# Altium PCB MotorBase.PcbDoc (part 2 of 2)
Units mm, origin at the board's own origin, x right, y up, seen from the top; angles counter-clockwise.
Board outline 97 x 110 mm, 4 copper layers (L1 Top, L2 Power, L3 Ground, L4 Bottom), stack 1.576 mm thick; 85 components, 55 nets, 299 pads, 431 vias.
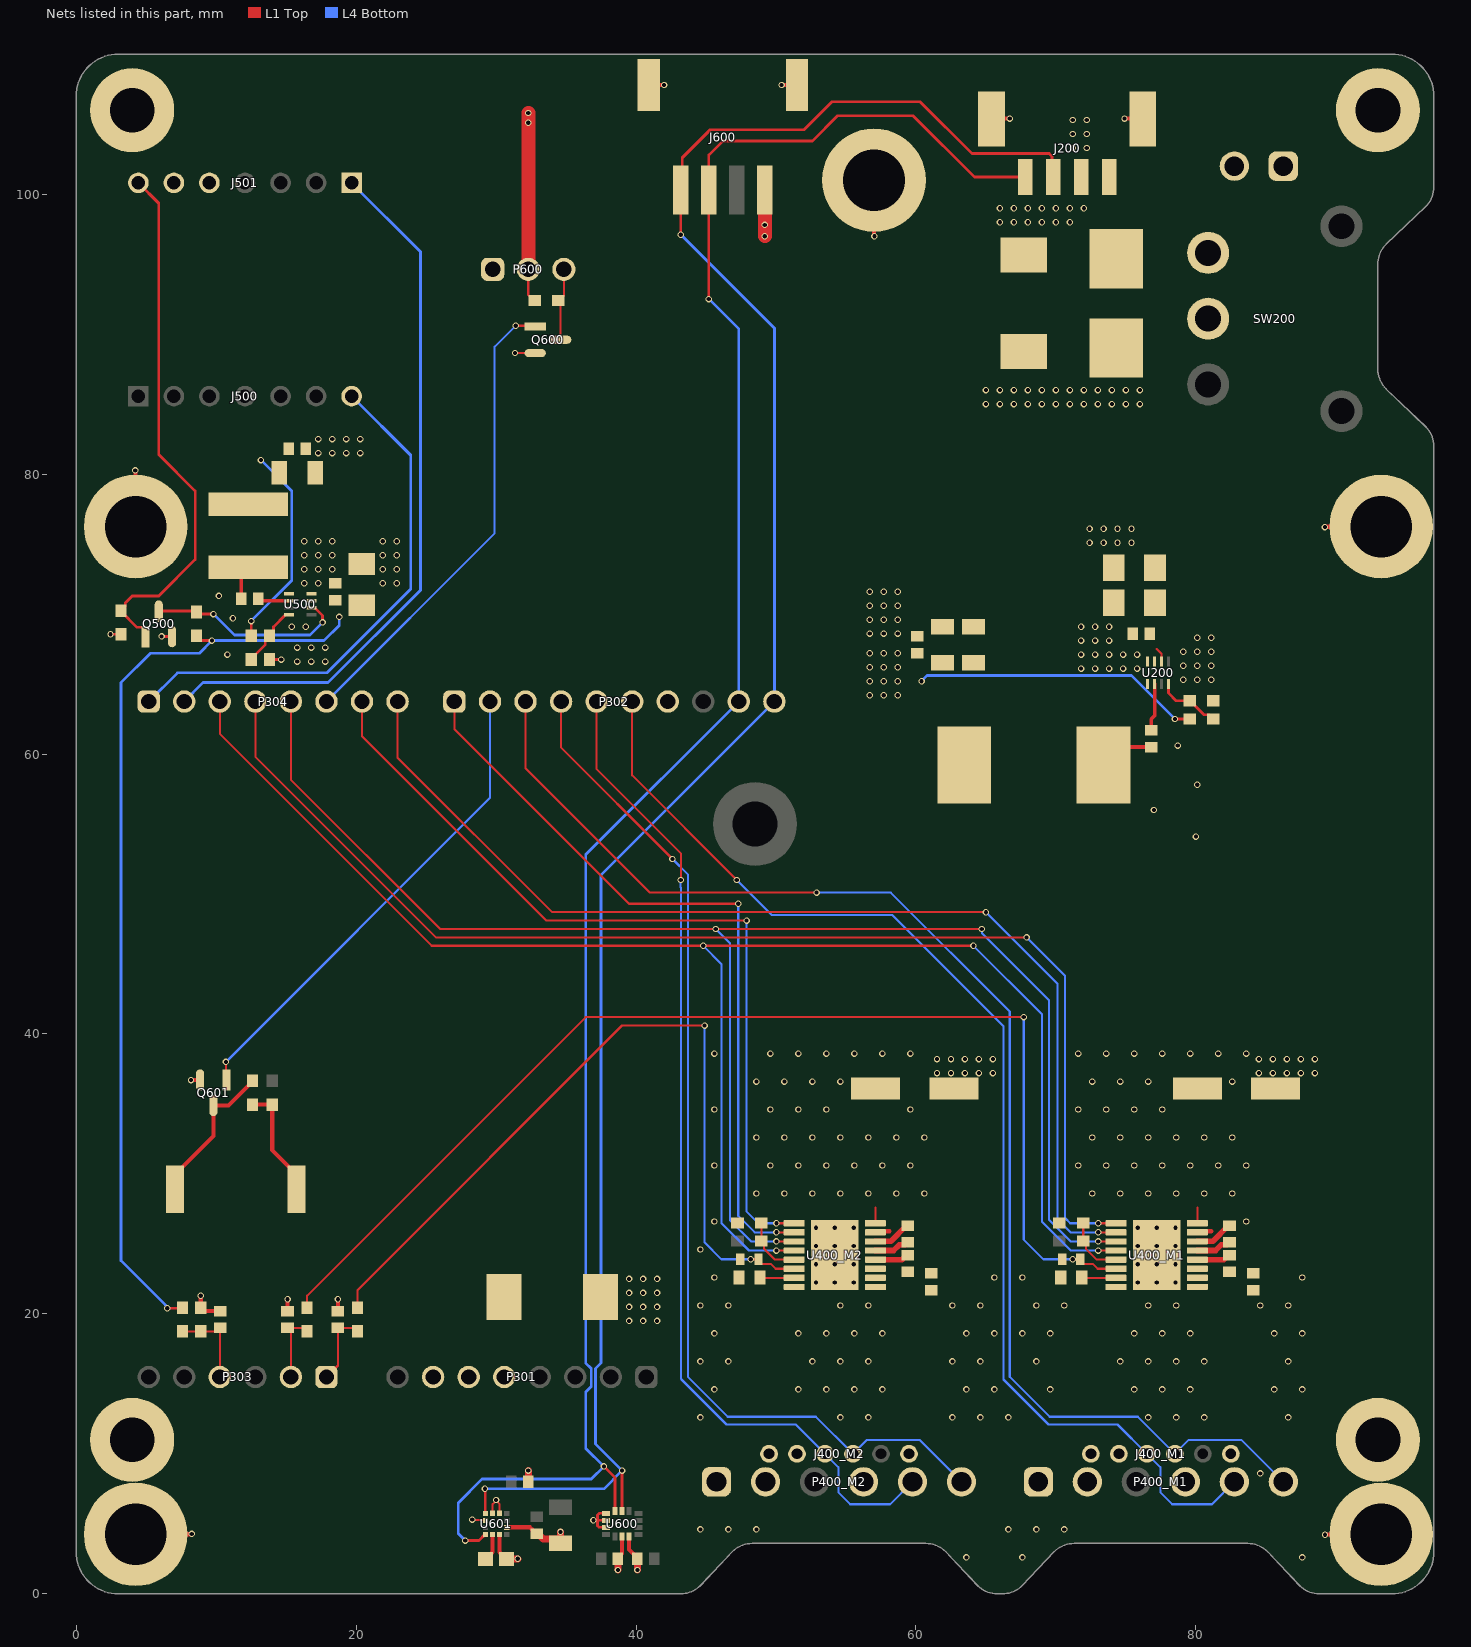
[diagram p4: the nets of this part, all layers, seen from the top]

## Via types
v1: diameter 0.46, hole 0.3, L1 Top to L4 Bottom, 220 vias
v2: diameter 0.46, hole 0.3, L1 Top to L4 Bottom, tented both sides, 211 vias

## Nets (pads, with @x,y where several pads share a name; then routed paths per layer and width w, separated by ;. In a path a pad name is that pad's centre, name@x,y a point inside that pad or via, vN(x,y) a via of type N, cw(c..) or ccw(c..) an arc to the next point about the centre after c; other vN are vias at no path point) (continued)
5V: C204.1 C205.1 C206.1 D300.2 L200.2 P600.2 R200.2 R601.2 | length 34.2
  L1 Top w0.15: P600.2@32.3,94.63 32.3,92.8 32.7,92.4 R601.2@32.75,92.4
  L1 Top w0.2: v2(78.5,62.5) R200.2@79.55,62.5
  L1 Top w1: P600.2@32.3,94.63 v2(32.3,105.1) v2(32.3,105.8)
  L4 Bottom w0.2: v2(60.4,65.2) 60.8,65.6 75.4,65.6 v2(78.5,62.5)
  other v2: 39.5,19.5 40.5,19.5 41.5,19.5 39.5,20.5 40.5,20.5 41.5,20.5 39.5,21.5 40.5,21.5 41.5,21.5 39.5,22.5 40.5,22.5 41.5,22.5 56.7,64.2 57.7,64.2 58.7,64.2 56.7,65.2 57.7,65.2 58.7,65.2 56.7,66.2 57.7,66.2 58.7,66.2 56.7,67.2 57.7,67.2 58.7,67.2
Buz: P302.2 Q601.1 | length 34.9
  L1 Top w0.15: v2(10.7,38) 10.7,36.76 Q601.1@10.75,36.71
  L4 Bottom w0.15: v2(10.7,38) 29.564,56.864 P302.2@29.564,63.75
DIR_M1: P304.8 U400_M1.2 | length 79.3
  L1 Top w0.15: P304.8@22.96,63.75 22.96,59.74 34,48.7 v2(65,48.7) ; v2(73.025,25.825) U400_M1.2@74.3,25.825
  L4 Bottom w0.15: v2(65,48.7) 70.1,43.6 70.1,26.764 71.039,25.825 v2(73.025,25.825)
DIR_M2: P302.1 U400_M2.2 | length 54.2
  L1 Top w0.15: P302.1@27.024,63.75 27.024,61.776 39.5,49.3 v2(47.3,49.3) ; v2(50.025,25.825) U400_M2.2@51.3,25.825
  L4 Bottom w0.15: v2(47.3,49.3) 47.3,27 48.475,25.825 v2(50.025,25.825)
EN: Q500.3 R500.1 U500.2 | length 14.3
  L1 Top w0.2: Q500.3@5.9,70.21 8.54,70.21 R500.1@8.6,70.15 8.75,70 v2(9.8,70) ; U500.2@16.798,70.45 17.036,70.45 17.197,70.289 17.209,70.289 17.6,69.898 v2(17.6,69.4)
  L4 Bottom w0.2: v2(9.8,70) 11.3,68.5 16.7,68.5 v2(17.6,69.4)
ENCA_M1: J400_M1.4 P302.6 P400_M1.5 | length 86.4
  L1 Top w0.15: P302.6@39.724,63.75 39.724,58.476 v2(47.2,51)
  L4 Bottom w0.15: v2(47.2,51) 49.7,48.5 58.3,48.5 66.25,40.55 66.25,15.314 69.464,12.1 74.4,12.1 J400_M1.4@76.5,10 77.457,9.043 77.457,7.243 78.3,6.4 81.15,6.4 P400_M1.5@82.75,8
ENCA_M2: J400_M2.4 P302.5 P400_M2.5 | length 72.8
  L1 Top w0.15: P302.5@37.184,63.75 37.184,58.916 43.2,52.9 v2(43.2,51)
  L4 Bottom w0.15: 43.2,15.364 43.2,50.453 43.178,50.475 43.178,50.978 v2(43.2,51) ; 43.25,15.314 46.464,12.1 51.4,12.1 J400_M2.4@53.5,10 54.457,9.043 54.457,7.243 55.3,6.4 58.15,6.4 P400_M2.5@59.75,8
ENCB_M1: J400_M1.3 P302.3 P400_M1.6 | length 96.1
  L1 Top w0.15: P302.3@32.104,63.75 32.104,58.996 41,50.1 v2(52.9,50.1)
  L4 Bottom w0.15: v2(52.9,50.1) 58.2,50.1 66.7,41.6 66.7,15.5 69.55,12.65 75.85,12.65 J400_M1.3@78.5,10 79.5,11 83.25,11 P400_M1.6@86.25,8
ENCB_M2: J400_M2.3 P302.4 P400_M2.6 | length 75.5
  L1 Top w0.15: P302.4@34.644,63.75 34.644,60.456 v2(42.6,52.5)
  L4 Bottom w0.15: v2(42.6,52.5) 43.7,51.4 43.7,15.5 46.55,12.65 52.85,12.65 J400_M2.3@55.5,10 56.5,11 60.25,11 P400_M2.6@63.25,8
ESP3.3V: C503.1 C504.1 J501.5 L500.2 R502.2 | length 14.7
  L1 Top w0.2: R502.2@12.5,68.45 v2(12.5,69.5)
  L4 Bottom w0.2: v2(12.5,69.5) 15.4,72.4 15.4,78.8 v2(13.2,81)
F\A\U\L\T\_M1: P304.3 U400_M1.4 U400_M2.4 | length 116.7
  L1 Top w0.15: P304.3@10.26,63.75 10.26,61.44 25.4,46.3 v2(44.8,46.3) v2(64.1,46.3) ; v2(50.025,24.525) U400_M2.4@51.3,24.525 ; v2(73.025,24.525) U400_M1.4@74.3,24.525
  L4 Bottom w0.15: v2(44.8,46.3) 46.1,45 46.1,26.491 48.066,24.525 v2(50.025,24.525) ; v2(64.1,46.3) 69,41.4 69,26.591 71.066,24.525 v2(73.025,24.525)
GND: C201.2 C202.2 C203.2 C204.2 C205.2 C206.2 C300.1 C301.1 C400_M1.2 C400_M2.2 C401_M1.1 C401_M2.1 C501.2 C502.2 C503.2 C504.2 C600.2 C601.2 C602.2 C603.2 C604.2 C605.1 C606.2 D200.2 J200.2 J200.5 J200.6 J400_M1.5 J400_M2.5 J501.6 J600.4 J600.5 J600.6 MP300.1 MP301.1 MP302.1 MP303.1 MP304.1 P200.2 P301.6 P301.7 P302.7 P400_M1.4 P400_M2.4 P600.1 pad.@4,11 pad.@4,106 pad.@93,11 pad.@93,106 Q500.2 Q600.2 Q601.2 R201.1 R401_M1.1 R401_M2.1 R402_M1.1 R402_M2.1 R403_M1.1 R403_M2.1 R501.1 R503.1 R604.1 U200.4 U400_M1.9 U400_M1.15 U400_M1.16 U400_M1.17 U400_M2.9 U400_M2.15 U400_M2.16 U400_M2.17 U500.4 U600.1 U600.2 U600.3 U600.6 U600.7 U601.2 U601.6 U601.8 U601.11 U601.12 | length 60.7
  L1 Top w0.15: v2(28.3,5.3) 28.325,5.275 29.212,5.275 U601.2@29.238,5.25 ; U601.12@29.75,5.763 29.75,6.409 v2@30,6.659 ; v2(30,6.7) v2@30,6.659 ; U601.11@30.25,5.763 30.25,6.409 v2@30,6.659 ; v2(31.35,88.65) Q600.2@32.79,88.65 ; U400_M2.16@57.1,26.475 57.1,27.6 ; U400_M1.16@80.1,26.475 80.1,27.6
  L1 Top w0.2: v2(2.45,68.561) R501.1@3.189,68.561 ; v2(6.1,68.4) 6.84,68.4 Q500.2@6.85,68.389 ; R503.1@13.8,66.75 v2(14.65,66.75) ; v2(36.95,5.25) 37.25,5.25 ; U600.3@37.838,4.75 37.367,4.75 37.25,4.867 37.25,5.25 ; U600.2@37.838,5.25 37.25,5.25 ; U600.1@37.838,5.75 37.367,5.75 37.25,5.633 37.25,5.25 ; C600.2@38.7,2.5 38.7,2.575 C600.2@39,2.875 ; C601.2@40.1,2.5 C601.2@40.1,2.575
  L1 Top w0.3: MP304.1@4.241,76.26 v2@4.241,80.242 ; MP301.1@4.26,4.26 v2@8.242,4.26 ; v2(8.2,36.7) 8.84,36.7 Q601.2@8.85,36.71 ; v2(8.9,21.3) R604.1@8.9,20.45 9.15,20.2 C606.2@10.3,20.2 ; C301.1@15.1,20.2 v2(15.1,21.05) ; C300.1@18.7,20.2 v2(18.7,21.05) ; U601.6@30.25,4.237 30.25,2.975 30.725,2.5 C605.1@30.75,2.5 ; U601.8@30.763,4.75 32.424,4.75 32.6,4.574 32.6,4.525 32.825,4.3 C603.2@32.9,4.3 ; C600.2@39,2.875 U600.6@39,4.088 ; U600.7@39.5,4.088 39.5,3.175 C601.2@40.1,2.575 ; J600.5@40.9,107.8 v2(42,107.8) ; v2(50.4,107.8) J600.6@51.5,107.8 ; v2@57.009,97.008 MP300.1@57.009,100.991 ; U400_M2.15@57.1,25.825 57.175,25.9 58.1,25.9 ; J200.6@65.4,105.371 65.429,105.4 v2(66.7,105.4) ; v2(74.9,105.4) 76.171,105.4 J200.5@76.2,105.371 ; U400_M1.15@80.1,25.825 80.175,25.9 81.1,25.9 ; v2(89.213,76.213) 89.232,76.232 93.214,76.232 MP303.1@93.233,76.25 ; v2@89.241,4.241 MP302.1@93.224,4.241
  L1 Top w0.5: C605.1@30.75,2.5 v2(31.55,2.5) ; C604.2@32.3,8 v2(32.3,8.8) ; C603.2@32.9,4.3 32.975,4.3 33.368,3.907 34.317,3.907 C602.2@34.6,3.624 v2(34.6,4.424) ; v2(38.7,1.7) C600.2@38.7,2.5 ; v2(40.1,1.7) C601.2@40.1,2.5
  L1 Top w1: v2(49.2,97) J600.4@49.2,100.3
  other v1: 63.6,2.6 67.6,2.6 87.6,2.6 44.6,4.6 46.6,4.6 48.6,4.6 66.6,4.6 68.6,4.6 70.6,4.6 84.6,8.6 44.6,12.6 54.6,12.6 56.6,12.6 62.6,12.6 64.6,12.6 66.6,12.6 76.6,12.6 78.6,12.6 80.6,12.6 86.6,12.6 45.6,14.6 51.6,14.6 53.6,14.6 55.6,14.6 57.6,14.6 63.6,14.6 65.6,14.6 69.6,14.6 75.6,14.6 77.6,14.6 79.6,14.6 85.6,14.6 87.6,14.6 44.6,16.6 46.6,16.6 52.6,16.6 54.6,16.6 56.6,16.6 62.6,16.6 64.6,16.6 68.6,16.6 74.6,16.6 76.6,16.6 78.6,16.6 80.6,16.6 86.6,16.6 45.6,18.6 51.6,18.6 53.6,18.6 55.6,18.6 57.6,18.6 63.6,18.6 65.6,18.6 67.6,18.6 69.6,18.6 75.6,18.6 77.6,18.6 79.6,18.6 85.6,18.6 87.6,18.6 44.6,20.6 46.6,20.6 54.6,20.6 56.6,20.6 62.6,20.6 64.6,20.6 68.6,20.6 70.6,20.6 76.6,20.6 78.6,20.6 84.6,20.6 86.6,20.6 52.85,22.25 54.2,22.25 55.55,22.25 75.85,22.25 77.2,22.25 78.55,22.25 45.6,22.6 65.6,22.6 67.6,22.6 87.6,22.6 52.85,23.55 54.2,23.55 55.55,23.55 75.85,23.55 77.2,23.55 78.55,23.55 44.6,24.6 52.85,24.85 54.2,24.85 55.55,24.85 75.85,24.85 77.2,24.85 78.55,24.85 52.85,26.15 54.2,26.15 55.55,26.15 75.85,26.15 77.2,26.15 78.55,26.15 45.6,26.6 83.6,26.6 48.6,28.6 50.6,28.6 52.6,28.6 54.6,28.6 56.6,28.6 58.6,28.6 60.6,28.6 72.6,28.6 74.6,28.6 76.6,28.6 78.6,28.6 80.6,28.6 82.6,28.6 45.6,30.6 49.6,30.6 51.6,30.6 53.6,30.6 55.6,30.6 57.6,30.6 59.6,30.6 71.6,30.6 73.6,30.6 75.6,30.6 77.6,30.6 79.6,30.6 81.6,30.6 83.6,30.6 48.6,32.6 50.6,32.6 52.6,32.6 54.6,32.6 56.6,32.6 58.6,32.6 60.6,32.6 72.6,32.6 74.6,32.6 76.6,32.6 78.6,32.6 80.6,32.6 82.6,32.6 45.6,34.6 49.6,34.6 51.6,34.6 53.6,34.6 59.6,34.6 71.6,34.6 73.6,34.6 75.6,34.6 77.6,34.6 48.6,36.6 50.6,36.6 52.6,36.6 54.6,36.6 72.6,36.6 74.6,36.6 76.6,36.6 82.6,36.6 45.6,38.6 49.6,38.6 51.6,38.6 53.6,38.6 55.6,38.6 57.6,38.6 59.6,38.6 71.6,38.6 73.6,38.6 75.6,38.6 77.6,38.6 79.6,38.6 81.6,38.6 83.6,38.6 79.1,65.3 80.1,65.3 81.1,65.3 71.8,66.1 72.8,66.1 73.8,66.1 74.8,66.1 75.8,66.1 79.1,66.3 80.1,66.3 81.1,66.3 15.8,66.6 16.8,66.6 17.8,66.6 71.8,67.1 72.8,67.1 73.8,67.1 74.8,67.1 75.8,67.1 79.1,67.3 80.1,67.3 81.1,67.3 15.8,67.6 16.8,67.6 17.8,67.6 71.8,68.1 72.8,68.1 73.8,68.1 80.1,68.3 81.1,68.3 15.4,69.1 16.4,69.1 71.8,69.1 72.8,69.1 73.8,69.1 16.3,72.2 17.3,72.2 16.3,73.2 17.3,73.2 18.3,73.2 16.3,74.2 17.3,74.2 18.3,74.2 16.3,75.2 17.3,75.2 18.3,75.2
  other v2: 89.222,4.222 8.261,4.279 80,54.1 77,56 80.1,57.8 78.7,60.6 10.8,67.1 56.7,68.6 57.7,68.6 58.7,68.6 56.7,69.6 57.7,69.6 58.7,69.6 11.2,69.7 56.7,70.6 57.7,70.6 58.7,70.6 10.2,71.3 56.7,71.6 57.7,71.6 58.7,71.6 21.9,72.2 22.9,72.2 21.9,73.2 22.9,73.2 21.9,74.2 22.9,74.2 72.4,75.1 73.4,75.1 74.4,75.1 75.4,75.1 21.9,75.2 22.9,75.2 72.4,76.1 73.4,76.1 74.4,76.1 75.4,76.1 4.222,80.261 17.3,81.5 18.3,81.5 19.3,81.5 20.3,81.5 17.3,82.5 18.3,82.5 19.3,82.5 20.3,82.5 57.028,96.989 49.2,97.8 66,98 67,98 68,98 69,98 70,98 71,98 66,99 67,99 68,99 69,99 70,99 71,99 72,99 71.2,103.3 72.2,103.3 71.2,104.3 72.2,104.3 71.2,105.3 72.2,105.3
IMOT_M1: R301.2 R402_M1.2 U400_M1.6 | length 83.7
  L1 Top w0.15: R301.2@16.5,20.45 16.5,21.3 36.4,41.2 v2(67.7,41.2) ; v2(71.2,23.9) R402_M1.2@71.75,23.9 71.75,23.8 71.975,23.575 72.625,23.575 72.975,23.225 U400_M1.6@74.3,23.225
  L4 Bottom w0.15: v2(67.7,41.2) 67.7,25.3 69.1,23.9 v2(71.2,23.9)
IMOT_M2: R300.2 R402_M2.2 U400_M2.6 | length 56.7
  L1 Top w0.15: R300.2@20.1,20.45 20.1,21.7 39,40.6 v2(44.9,40.6) ; v2(48.2,23.9) R402_M2.2@48.75,23.9 48.75,23.8 48.975,23.575 49.625,23.575 49.975,23.225 U400_M2.6@51.3,23.225
  L4 Bottom w0.15: 44.9,25.2 44.9,25.1 ; v2(44.9,40.6) 44.9,25.1 ; v2(48.2,23.9) 46.1,23.9 44.9,25.1
NetC200_1: C200.1 L200.1 U200.5 | length 3.9
  L1 Top w0.254: L200.1@73.4,59.2 74.7,60.5 C200.1@76.8,60.5
NetC200_2: C200.2 U200.6 | length 3.4
  L1 Top w0.254: C200.2@76.8,61.7 76.8,62.5 77.05,62.75 U200.6@77.05,65.002
NetC300_2: C300.2 P303.1 R300.1 | length 5.3
  L1 Top w0.15: P303.1@17.88,15.49 18.7,16.31 C300.2@18.7,19 19.75,19 R300.1@20,18.75
NetC301_2: C301.2 P303.2 R301.1 | length 5.1
  L1 Top w0.15: P303.2@15.34,15.49 15.34,18.86 15.2,19 16.35,19 R301.1@16.6,18.75
NetC402_M1_1: C402_M1.1 U400_M1.13 | length 2.5
  L1 Top w0.4: U400_M1.13@80.1,24.525 81.405,24.525 81.805,24.925 82.225,24.925 C402_M1.1@82.4,25.1
NetC402_M1_2: C402_M1.2 U400_M1.14 | length 2.8
  L1 Top w0.4: U400_M1.14@80.1,25.175 81.2,25.175 82.325,26.3 C402_M1.2@82.4,26.3
NetC402_M2_1: C402_M2.1 U400_M2.13 | length 2.5
  L1 Top w0.4: U400_M2.13@57.1,24.525 58.405,24.525 58.805,24.925 59.225,24.925 C402_M2.1@59.4,25.1
NetC402_M2_2: C402_M2.2 U400_M2.14 | length 2.8
  L1 Top w0.4: U400_M2.14@57.1,25.175 58.2,25.175 59.325,26.3 C402_M2.2@59.4,26.3
NetC403_M1_1: C403_M1.1 U400_M1.12 | length 2.4
  L1 Top w0.4: U400_M1.12@80.1,23.875 82,23.875 82.325,24.2 C403_M1.1@82.4,24.2
NetC403_M2_1: C403_M2.1 U400_M2.12 | length 2.4
  L1 Top w0.4: U400_M2.12@57.1,23.875 59,23.875 59.325,24.2 C403_M2.1@59.4,24.2
NetC500_1: C500.1 L500.1 U500.5 | length 2.5
  L1 Top w0.254: C500.1@11.8,71.1 11.8,72.85 L500.1@12.3,73.35
NetC500_2: C500.2 U500.6 | length 2.3
  L1 Top w0.254: C500.2@13,71.1 13.15,70.95 U500.6@15.202,70.95
NetC605_2: C605.2 U601.5 | length 2
  L1 Top w0.3: C605.2@29.25,2.5 29.275,2.5 29.75,2.975 U601.5@29.75,4.237
NetD300_1: D300.1 P301.5
NetF200_1: F200.1 SW200.2
NetJ200_1: J200.1 P200.1 SW200.3
NetLS600_1: LS600.1 R600.1 R602.2 | length 8.2
  L1 Top w0.3: R602.2@12.6,34.95 R600.1@14,34.95 14,31.7 15.75,29.95 LS600.1@15.75,28.9
NetLS600_2: LS600.2 Q601.3 R602.1 | length 10.7
  L1 Top w0.3: LS600.2@7.05,28.9 7.05,29.95 9.8,32.7 Q601.3@9.8,34.89 10.89,34.89 12.6,36.6 R602.1@12.6,36.65
NetP304_6: P304.6 Q600.1 | length 33.9
  L1 Top w0.15: v2(31.4,90.6) 32.74,90.6 Q600.1@32.79,90.55
  L4 Bottom w0.15: P304.6@17.88,63.75 29.9,75.77 29.9,89.1 v2(31.4,90.6)
NetP600_3: P600.3 Q600.3 R601.1 | length 5.3
  L1 Top w0.15: Q600.3@34.61,89.6 34.61,92.24 R601.1@34.45,92.4 34.5,92.4 34.84,92.74 P600.3@34.84,94.63
NetR200_1: R200.1 R201.2 U200.8 | length 4.6
  L1 Top w0.2: U200.8@78.05,65.002 78.05,64.35 78.6,63.8 R201.2@79.55,63.8 79.6,63.8 80.6,62.8 80.95,62.8 R200.1@81.25,62.5
NetR400_M1_1: R400_M1.1 R401_M1.2 U400_M1.5 | length 4.4
  L1 Top w0.15: R401_M1.2@71.95,26.5 R400_M1.1@71.95,25.2 72.137,25.013 72.137,24.663 72.925,23.875 U400_M1.5@74.3,23.875
NetR400_M2_1: R400_M2.1 R401_M2.2 U400_M2.5 | length 4.4
  L1 Top w0.15: R401_M2.2@48.95,26.5 R400_M2.1@48.95,25.2 49.137,25.013 49.137,24.663 49.925,23.875 U400_M2.5@51.3,23.875
NetR403_M1_2: R403_M1.2 U400_M1.7 | length 2.5
  L1 Top w0.15: R403_M1.2@71.85,22.6 71.875,22.575 U400_M1.7@74.3,22.575
NetR403_M2_2: R403_M2.2 U400_M2.7 | length 2.5
  L1 Top w0.15: R403_M2.2@48.85,22.6 48.875,22.575 U400_M2.7@51.3,22.575
NetR502_1: R502.1 R503.2 U500.8 | length 4.5
  L1 Top w0.2: R502.1@12.5,66.75 12.5,66.8 13.5,67.8 13.5,68.15 R503.2@13.8,68.45 14.1,68.75 14.1,69.086 14.964,69.95 U500.8@15.202,69.95
OUT1_M1: J400_M1.6 P400_M1.1 U400_M1.8
OUT1_M2: J400_M2.6 P400_M2.1 U400_M2.8
OUT2_M1: J400_M1.1 P400_M1.2 U400_M1.10
OUT2_M2: J400_M2.1 P400_M2.2 U400_M2.10
PWM_M1: P304.4 U400_M1.1 | length 89.4
  L1 Top w0.15: P304.4@12.8,63.75 12.8,59.8 25.7,46.9 v2(67.9,46.9) ; v2(73.025,26.475) U400_M1.1@74.3,26.475
  L4 Bottom w0.15: v2(67.9,46.9) 70.65,44.15 70.65,26.85 71.025,26.475 v2(73.025,26.475)
PWM_M2: P304.7 U400_M2.1 | length 60
  L1 Top w0.15: P304.7@20.42,63.75 20.42,61.28 33.6,48.1 v2(47.9,48.1) ; v2(50.025,26.475) U400_M2.1@51.3,26.475
  L4 Bottom w0.15: v2(47.9,48.1) 47.9,27.3 48.725,26.475 v2(50.025,26.475)
S\L\E\E\P\_M1: P304.5 U400_M1.3 U400_M2.3 | length 114
  L1 Top w0.15: P304.5@15.34,63.75 15.34,58.16 26,47.5 v2(45.7,47.5) v2(64.7,47.5) ; v2(50.025,25.175) U400_M2.3@51.3,25.175 ; v2(73.025,25.175) U400_M1.3@74.3,25.175
  L4 Bottom w0.15: v2(45.7,47.5) 46.7,46.5 46.7,26.7 48.225,25.175 v2(50.025,25.175) ; v2(64.7,47.5) 64.718,47.482 64.718,47.182 69.5,42.4 69.5,26.727 71.052,25.175 v2(73.025,25.175)
SCL: J200.3 J600.1 P302.10 U600.13 U601.1 | length 148.9
  L1 Top w0.15: v2(29.2,7.5) v2@29.219,7.481
  L1 Top w0.2: U601.1@29.219,5.769 v2@29.219,7.481 ; U600.13@39,5.913 v2(39,8.8) ; v2(43.2,97.1) J600.1@43.2,100.3 43.3,100.4 43.3,102.6 45.3,104.6 51.993,104.6 53.993,106.6 60.3,106.6 64,102.9 69.516,102.9 69.717,102.699 69.717,101.304 J200.3@69.8,101.221
  L4 Bottom w0.2: v2(29.2,7.5) 37.7,7.5 v2(39,8.8) 37.1,10.7 37.1,16.1 37.5,16.5 37.5,51.366 P302.10@49.884,63.75 49.884,90.416 v2(43.2,97.1)
SDA: J200.4 J600.2 P302.9 U600.14 U601.4 | length 145.1
  L1 Top w0.2: v2(27.8,3.8) 28.775,3.8 29.225,4.25 U601.4@29.238,4.25 ; v2(37.7,9.1) 38.5,8.3 U600.14@38.5,5.913 ; v2(45.2,92.5) J600.2@45.2,100.3 45.2,102.8 46.2,103.8 52.6,103.8 54.4,105.6 59.8,105.6 64.179,101.221 J200.4@67.8,101.221
  L4 Bottom w0.2: v2(27.8,3.8) 27.3,4.3 27.3,6.5 29,8.2 36.8,8.2 v2(37.7,9.1) 36.4,10.4 36.4,14.4 36.8,14.8 36.8,16.1 36.4,16.5 36.4,52.806 P302.9@47.344,63.75 47.344,90.356 v2(45.2,92.5)
VIN: C201.1 C202.1 C203.1 C400_M1.1 C400_M2.1 C401_M1.2 C401_M2.2 C403_M1.2 C403_M2.2 C501.1 C502.1 D200.1 F200.2 R500.2 R603.2 U200.2 U200.3 U400_M1.11 U400_M2.11 U500.3 | length 67.3
  L1 Top w0.15: 77.2,67.5 77.55,67.15 U200.2@77.55,66.598
  L1 Top w0.2: v2(6.5,20.4) 7.55,20.4 R603.2@7.6,20.45 ; R500.2@8.75,68.3 8.75,68.25 8.9,68.1 v2(9.7,68.1)
  L4 Bottom w0.2: v2@6.6,20.4 6.568,20.4 6.379,20.589 6.379,20.621 3.2,23.8 3.2,65.1 5.3,67.2 8.8,67.2 v2(9.7,68.1) 17.7,68.1 18.8,69.2 v2(18.8,69.8)
  other v2: 61.5,37.2 62.5,37.2 63.5,37.2 64.5,37.2 65.5,37.2 84.5,37.2 85.5,37.2 86.5,37.2 87.5,37.2 88.5,37.2 61.5,38.2 62.5,38.2 63.5,38.2 64.5,38.2 65.5,38.2 84.5,38.2 85.5,38.2 86.5,38.2 87.5,38.2 88.5,38.2 65,85 66,85 67,85 68,85 69,85 70,85 71,85 72,85 73,85 74,85 75,85 76,85 65,86 66,86 67,86 68,86 69,86 70,86 71,86 72,86 73,86 74,86 75,86 76,86
VIN_meas: C606.1 P303.4 R603.1 R604.2 | length 6.3
  L1 Top w0.15: R603.1@7.6,18.75 R604.2@8.9,18.75 10.05,18.75 C606.1@10.3,19 10.26,18.96 P303.4@10.26,15.49
XIAO_RX: J501.1 P304.2 | length 51.3
  L4 Bottom w0.2: P304.2@7.72,63.75 9.07,65.1 18,65.1 24.6,71.7 24.6,95.888 J501.1@19.679,100.809
XIAO_TX: J500.7 P304.1 | length 37.6
  L4 Bottom w0.2: P304.1@5.18,63.75 7.23,65.8 17.9,65.8 23.9,71.8 23.9,81.348 J500.7@19.679,85.569
XIAO_VUSB: J501.7 Q500.1 R501.2 | length 38.4
  L1 Top w0.2: J501.7@4.439,100.809 5.9,99.348 5.9,81.4 8.5,78.8 8.5,73.9 5.9,71.3 4,71.3 3.5,70.8 3.5,70.55 R501.2@3.2,70.25 3.2,70.2 4.348,69.052 4.761,69.052 4.95,68.863 Q500.1@4.95,68.389
pads on no net: J500.1 J500.2 J500.3 J500.4 J500.5 J500.6 J501.2 J501.3 J501.4 P301.1 P301.2 P301.3 P301.8 P302.8 P303.3 P303.5 P303.6 SW200.1 SW200.4 SW200.5 U200.1 U200.7 U500.1 U500.7 U600.4 U600.9 U600.10 U600.11 U601.7

## Polygon pours and split planes (outlines as drawn)
GND on L1 Top "GND_L01_P001" (solid, remove dead copper, pour order 1): 9.3,83 23.4,83 23.4,66 9.3,66
GND on L1 Top "GND_L01_P006" (solid, pour order 6): 65.9,39.9 43.1,39.9 43.1,0 65.8,0
GND on L1 Top "GND_L01_P003" (solid, pour order 3): 88.9,39.9 66.1,39.9 66.1,0 88.8,0
GND on L1 Top "GND_L01_P000" (solid, remove dead copper, pour order 0): 56.2,77 82,77 82,52.9 56.2,52.9
ESP3.3V on L1 Top "ESP3.3V_L01_P002" (solid, pour order 2): 8.1,102.2 11,102.2 11,100.1 15.6,95.5 15.6,82.9 9.1,82.9 8.1,83.9
5V on L2 Power (split plane): 3,109.49 63.748,109.49 63.748,84.5 63.756,84.435 63.782,84.374 63.822,84.322 74.748,73.396 74.748,65.5 62.2,65.5 62.2,53 74.143,53 60.896,39.752 48.5,39.752 48.435,39.744 48.374,39.718 48.322,39.678 43.322,34.678 43.282,34.626 43.256,34.565 43.248,34.5 43.248,26 43.248,18.052 34.852,18.052 34.852,41.196 55.178,61.522 55.201,61.551 55.218,61.574 55.226,61.592 55.244,61.635 55.252,61.7 55.252,77.5 55.252,99 55.244,99.065 55.218,99.126 55.178,99.178 50.678,103.678 50.626,103.718 50.565,103.744 50.5,103.752 0.51,103.752 0.51,107 0.509,107.016 0.518,107.217 0.546,107.433 0.593,107.645 0.658,107.852 0.742,108.053 0.842,108.246 0.959,108.429 1.091,108.602 1.238,108.762 1.398,108.909 1.571,109.041 1.754,109.158 1.947,109.258 2.148,109.342 2.355,109.407 2.567,109.454 2.783,109.482 2.984,109.491
3.3V on L2 Power (split plane): 199 vertices, not listed, extent 0.509,0.509 96.491,103.248
VIN on L2 Power (split plane): 94.217,109.482 94.433,109.454 94.645,109.407 94.852,109.342 95.053,109.258 95.246,109.158 95.429,109.041 95.602,108.909 95.762,108.762 95.909,108.602 96.041,108.429 96.158,108.246 96.258,108.053 96.342,107.852 96.407,107.645 96.454,107.433 96.482,107.217 96.491,107.016 96.49,107 96.49,100.5 96.491,100.486 96.483,100.338 96.455,100.178 96.41,100.022 96.348,99.872 96.27,99.73 96.176,99.597 96.081,99.491 96.075,99.487 93.234,96.784 93.23,96.779 93.225,96.775 93.077,96.614 92.944,96.44 92.826,96.255 92.725,96.061 92.641,95.859 92.575,95.65 92.528,95.436 92.499,95.219 92.49,95.001 92.49,95 92.49,87.5 92.49,87.499 92.499,87.281 92.528,87.064 92.575,86.85 92.641,86.641 92.725,86.439 92.826,86.245 92.944,86.06 93.077,85.886 93.225,85.725 93.23,85.721 93.234,85.716 96.075,83.013 96.081,83.009 96.176,82.903 96.27,82.77 96.348,82.628 96.41,82.478 96.455,82.322 96.483,82.162 96.491,82.014 96.49,82 96.49,10.252 85.604,10.252 84.178,11.678 84.126,11.718 84.065,11.744 84,11.752 70.252,11.752 70.252,26 70.244,26.065 70.218,26.126 70.178,26.178 70.126,26.218 70.065,26.244 70,26.252 68.5,26.252 68.435,26.244 68.374,26.218 68.322,26.178 68.282,26.126 68.256,26.065 68.248,26 68.248,11.752 47.252,11.752 47.252,26 47.244,26.065 47.218,26.126 47.178,26.178 47.126,26.218 47.065,26.244 47,26.252 43.752,26.252 43.752,34.396 48.604,39.248 61,39.248 61.065,39.256 61.126,39.282 61.178,39.322 74.857,53 75,53 75,53.143 75.178,53.322 75.218,53.374 75.244,53.435 75.252,53.5 75.252,73.5 75.244,73.565 75.218,73.626 75.196,73.656 75.178,73.678 64.252,84.604 64.252,109.49 94,109.49 94.016,109.491
GND on L3 Ground (split plane): 244 vertices, not listed, extent 0.509,0.509 96.491,109.491

## Other copper
L1 Top:
  rectangle net 5V: 35.5,19 42,23
  rectangle net GND: 52.5,21.1 55.9,27.3
  rectangle net GND: 75.5,21.1 78.9,27.3
  region net NetD300_1: 31.5,14.4 32.1,15 32.1,23 28.2,23 28.2,17.4 29.3,16.3 29.3,15 29.9,14.4
  pour cut-out: 56.2,26.9 58,26.9 58,26.1 56.2,26.1
  region net VIN: 61.056,38.7 61.056,22.2 63.1,22.2 65.956,25.056 65.956,38.7
  region net OUT2_M2: 56.3,22.8 58.3,22.8 61.3,19.8 61.3,11 58.6,11 58.6,19.6 58,20.2 58,22.3 56.3,22.3
  region net VIN: 56.3,23.5 60,23.5 61,24.5 61.1,24.5 61.1,22.2 59.3,22.2 58.5,23 56.3,23
  region net OUT1_M2: 50.4,11.1 50.4,18.1 52.2,19.9 52.2,22.2 49.7,22.2 49.7,21.1 47.7,19.1 47.7,11.1
  region net OUT2_M2: 50.4,9.1 51.1,8.4 51.1,7.5 52.1,6.5 64,6.5 64.7,7.2 64.7,8.6 64,9.3 58.9,9.3 58.6,9.6 58.6,11.5 64.8,11.5 66.8,9.5 66.8,6.3 64.7,4.2 49.9,4.2 47.6,6.5 47.6,8.3 48.4,9.1
  region net OUT1_M2: 50.4,9.3 48.3,9.3 47.3,8.3 47.3,6.5 44.3,6.5 44,6.8 44,10.1 45.4,11.5 50.4,11.5
  pour cut-out: 79.2,26.9 81,26.9 81,26.1 79.2,26.1
  region net VIN: 84.056,38.7 84.056,22.2 86.1,22.2 88.956,25.056 88.956,38.7
  region net VIN: 76.3,91.6 76.9,91 76.9,87 82,81.9 82,76.9 56.2,76.9 56.2,85.2 62.6,91.6
  region net VIN: 56.2,76.9 45.2,65.9 22.5,65.9 22.5,71.5 42.5,71.5 56.2,85.2
  region net NetF200_1: 82.4,93.2 83.3,92.3 83.3,89.2 82.5,88.4 79.1,88.4 77.2,90.3 77.2,91.4 76.6,92 72.2,92 71.5,92.7 71.5,96.8 72.9,98.2 76.9,98.2 78.3,96.8 78.3,95 80.1,93.2
  region net GND: 72.7,105.9 72.7,98.5 70.9,96.7 70.9,93.9 64.6,93.9 64.6,98.1 65.9,99.4 70.3,99.4 70.7,99.8 70.7,105.9
  region net NetJ200_1: 73.1,102.9 79.6,102.9 82,100.5 83.5,100.5 84.4,101.4 84.4,102.8 85.3,103.7 88.1,103.7 88.7,103.1 88.7,94.4 88,93.7 80.2,93.7 78.7,95.2 78.7,97 77.1,98.6 73.1,98.6
  region net OUT2_M1: 79.3,22.8 81.3,22.8 84.3,19.8 84.3,11 81.6,11 81.6,19.6 81,20.2 81,22.3 79.3,22.3
  region net VIN: 79.3,23.5 83,23.5 84,24.5 84.1,24.5 84.1,22.2 82.3,22.2 81.5,23 79.3,23
  region net OUT1_M1: 73.4,11.1 73.4,18.1 75.2,19.9 75.2,22.2 72.7,22.2 72.7,21.1 70.7,19.1 70.7,11.1
  region net OUT2_M1: 73.4,9.1 74.1,8.4 74.1,7.5 75.1,6.5 87,6.5 87.7,7.2 87.7,8.6 87,9.3 81.9,9.3 81.6,9.6 81.6,11.5 87.8,11.5 89.8,9.5 89.8,6.3 87.7,4.2 72.9,4.2 70.6,6.5 70.6,8.3 71.4,9.1
  region net OUT1_M1: 73.4,9.3 71.3,9.3 70.3,8.3 70.3,6.5 67.3,6.5 67,6.8 67,10.1 68.4,11.5 73.4,11.5
  pour cut-out: 9.3,78.6 15.3,78.6 15.3,72.6 9.3,72.6
  pour cut-out: 62.2,65.4 74.6,65.4 74.6,52.9 62.2,52.9
  region net 5V: 65.6,56 65.6,66.6 64.4,67.8 56.2,67.8 56.2,56
  region net GND: 76.7,66.9 76,67.6 76,76.6 56.2,76.6 56.2,68.1 64.5,68.1 67,65.6 76.7,65.6
  region net VIN: 77.2,66.2 77.2,67 82,71.8 82,76.9 76.2,76.9 76.2,67.7 76.9,67 76.9,66.2
  region net NetC200_1: 76.7,65.4 76.7,63.1 76,62.4 76,56 71.3,56 71.3,65.4
  region net ESP3.3V: 15.6,76.9 15.6,82.9 9.1,82.9 9.1,76.9
  region net NetC500_1: 15.6,71.3 15.6,74.3 9.2,74.3 9.2,72.3 9.4,72.1 13.3,72.1 14.1,71.3
  region net GND: 17.3,71.3 17.8,71.8 22.5,71.8 22.5,82.9 15.8,82.9 15.8,71.3
  region net VIN: 16.4,71.1 17.4,71.1 17.8,71.5 22.5,71.5 22.5,65.9 22.1,65.9 17.2,70.8 16.4,70.8
L2 Power (plane layer: these items are gaps in the copper):
  rectangle: 62.2,53 75,65.5
  rectangle: 9.3,72.6 15.3,78.6
  lines w0.5: 0,103.5 50.5,103.5 55,99 55,77.5 55,61.7 34.6,41.3 34.6,17.8 43.5,17.8 ; 64,110 64,84.5 75,73.5 75,53.5 61,39.5 48.5,39.5 43.5,34.5 43.5,17.8 ; 97,10 85.5,10 84,11.5 70,11.5 70,26 68.5,26 68.5,11.5 47,11.5 47,26 43.5,26 43.5,17.8
L3 Ground (plane layer: these items are gaps in the copper):
  rectangle: 62.2,52.9 74.7,65.4
  rectangle: 9.3,72.6 15.3,78.6

## Silkscreen, mask and mechanical layers (free items; w line width, h text height)
Top Overlay:
  region: 26,3.5 24.5,3 24.5,4
  region: 22.5,6 21.5,6 22,7.5
  lines w0.3: 22,6.5 22,3.5 25,3.5
  text "GND" at 30.368,105.3 h2.2 r90
  text "5V" at 32.96,105.3 h2.2 r90
  text "sig" at 35.325,105.3 h2.2 r90
  text "esp32" at 11.8,103.312 h3
  text "on" at 95.78,99.4 h3 r90
  text "grove / i2c" at 39.253,97.7 h3 r90
  text "servo" at 27.68,96 h3 r90
  text "SCL" at 43.868,94.3 h2.2 r90
  text "SDA" at 45.868,94.3 h2.2 r90
  text "3.3V" at 47.868,94.3 h2.2 r90
  text "GND" at 49.868,94.3 h2.2 r90
  text "off" at 95.78,80.1 h3 r90
  text ".seProject / motor base" at 1.504,62 h4 r270
  text "Compatible with STM32F723E-DISCO only" at 7,59.512 h3
  text "> Remove Jumper on CN8" at 7.5,56.512 h3
  text "sn" at 96.7,55 h4 r90
  text "Rev .seRevision / .seAuthor" at 95.506,15.8 h4 r90
  text "y" at 20.214,7.058 h3
  text "z" at 20.481,1.351 h3
  text "x" at 25.209,1.351 h3
Bottom Overlay:
  lines w0.254: 16.3,1.3 28.7,1.3 28.7,7.2 16.3,7.2 16.3,1.3 ; 29.9,1.3 42.3,1.3 42.3,7.2 29.9,7.2 29.9,1.3
  text "SDA" at 68.268,109.2 h2.2 r90
  text "SCL" at 70.268,109.2 h2.2 r90
  text "GND" at 72.268,109.2 h2.2 r90
  text "VIN" at 74.268,109.2 h2.2 r90
  text "GND" at 83.468,109.2 h2.2 r90
  text "VIN" at 86.768,109.2 h2.2 r90
  text "5.1 .. 28V" at 66.9,104.768 h2.2 r180
  text "5.1 .. 28V" at 80.6,104.768 h2.2 r180
  text "Screw Terminal" at 28.7,7.719 h2.2
  text "JST PH" at 42.3,7.732 h2.2
  text "OUT1" at 16.832,1.8 h2.2 r270
  text "OUT2" at 18.832,1.8 h2.2 r270
  text "3.3V" at 20.832,1.8 h2.2 r270
  text "GND" at 22.832,1.8 h2.2 r270
  text "ENCA" at 24.832,1.8 h2.2 r270
  text "ENCB" at 26.832,1.8 h2.2 r270
  text "OUT1" at 30.432,1.8 h2.2 r270
  text "GND" at 32.432,1.8 h2.2 r270
  text "ENCA" at 34.432,1.8 h2.2 r270
  text "ENCB" at 36.432,1.8 h2.2 r270
  text "3.3V" at 38.432,1.8 h2.2 r270
  text "OUT2" at 40.432,1.8 h2.2 r270
Mechanical 1:
  the board outline again, w0.1
3D:
  lines w0.1: 3.25,4.25 5.25,4.25 ; 3.25,76.25 5.25,76.25 ; 4.25,3.25 4.25,5.139 ; 4.25,75.25 4.25,77.139 ; 41,81 41,106 97,106 ; 56,101 58,101 ; 57,100 57,102 ; 92.233,4.25 94.233,4.25 ; 92.233,76.25 94.233,76.25 ; 93.233,3.25 93.233,5.139 ; 93.233,75.25 93.233,77.139 ; 0,81 0,110 97,110 97,81 ; 0,81 0,0 97,0 97,81 ; 0,81 97,81

## Text inside footprints (layer, text, board x,y; h text height)
C400_M1: Top Overlay "+" at 87.75,35.6 h1.22
C400_M2: Top Overlay "+" at 64.75,35.6 h1.22